# Altium PCB PCB1.PcbDoc (part 1 of 2)
Units mil, origin at the board's own origin, x right, y up, seen from the top; angles counter-clockwise.
Board outline 2250 x 3490 mil, 6 copper layers (Top Layer, Mid Layer 1, Mid Layer 2, Mid Layer 3, Mid Layer 4, Bottom Layer), stack 62.874 mil thick; 102 components, 68 nets, 356 pads, 128 vias.
Unrouted connection lines stored in the file: 78.
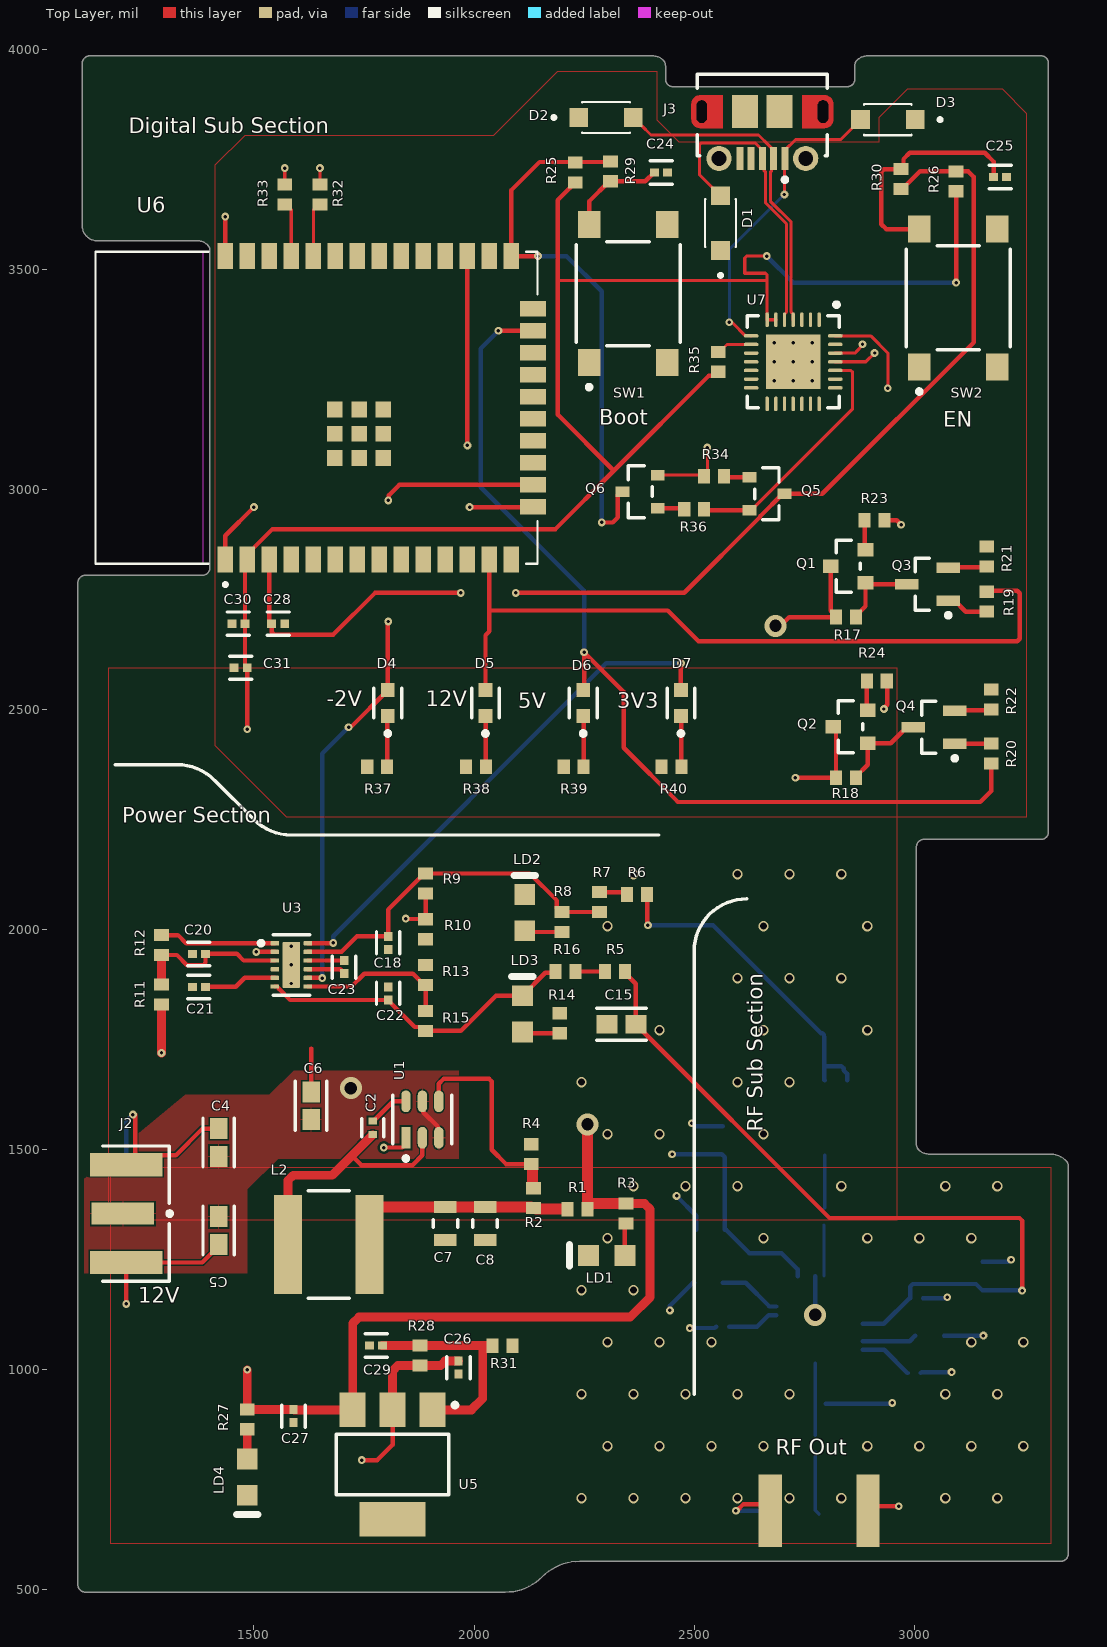
[diagram p0: Top Layer view]
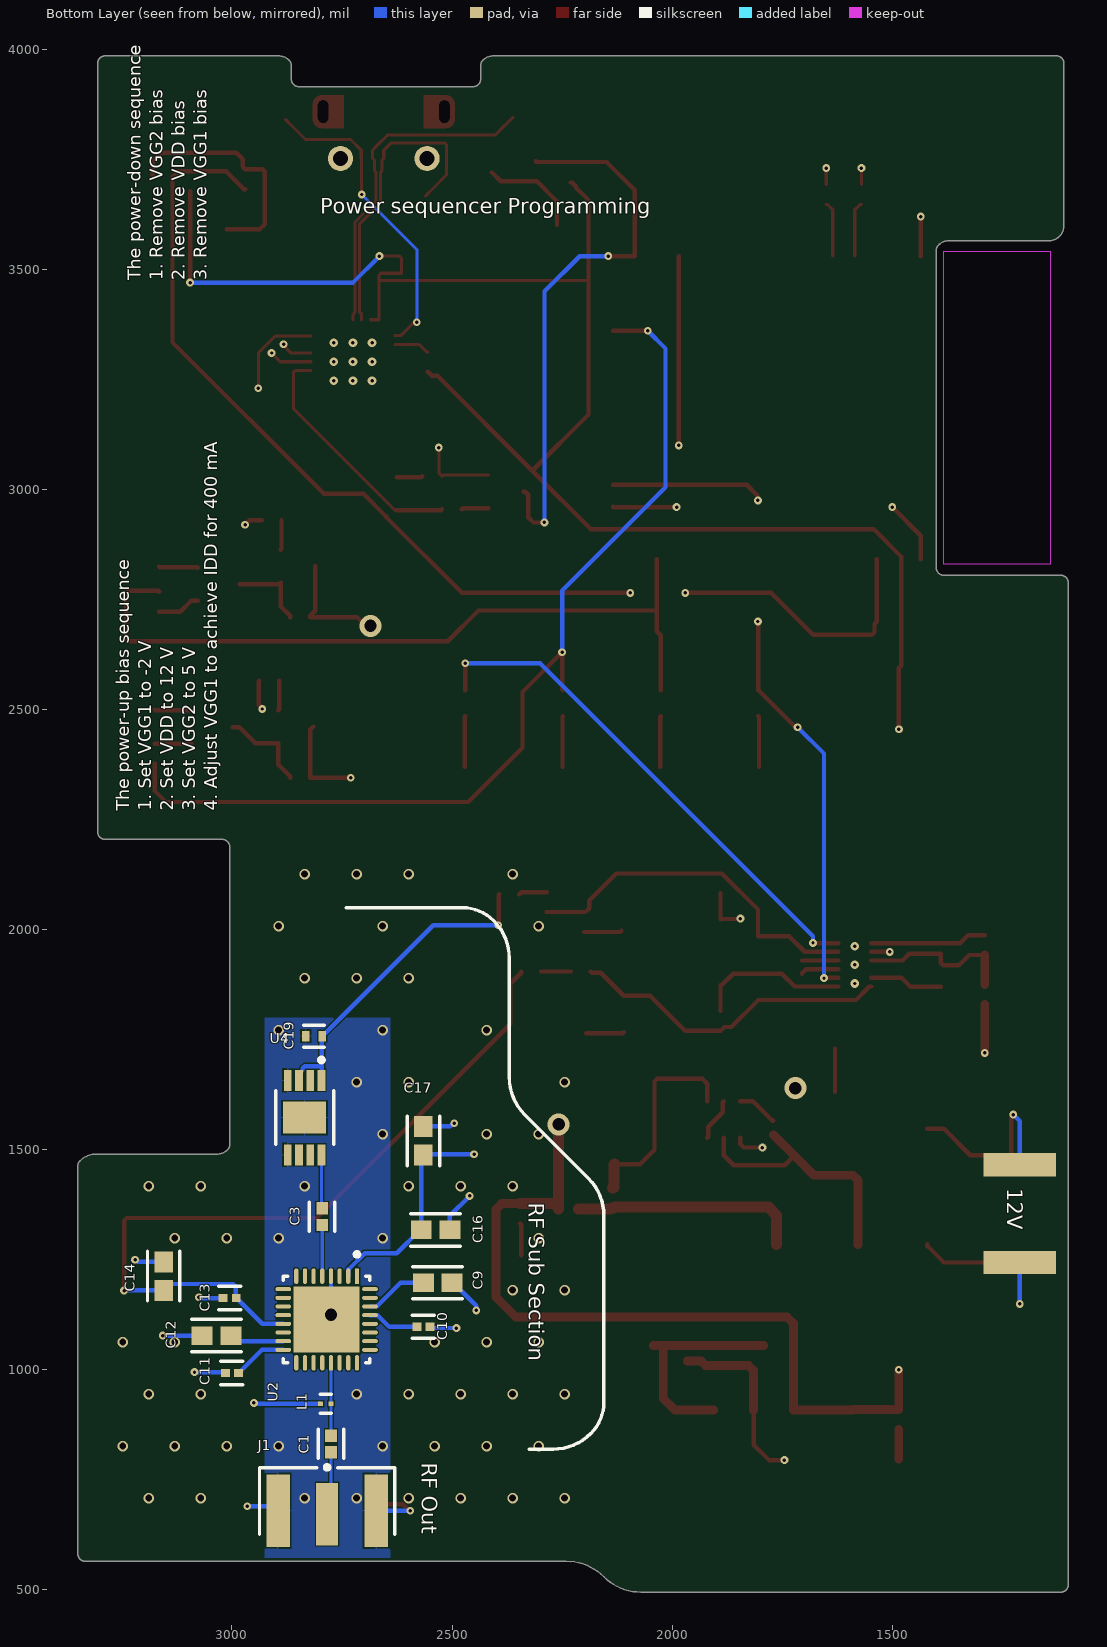
[diagram p1: Bottom Layer view, seen from below]
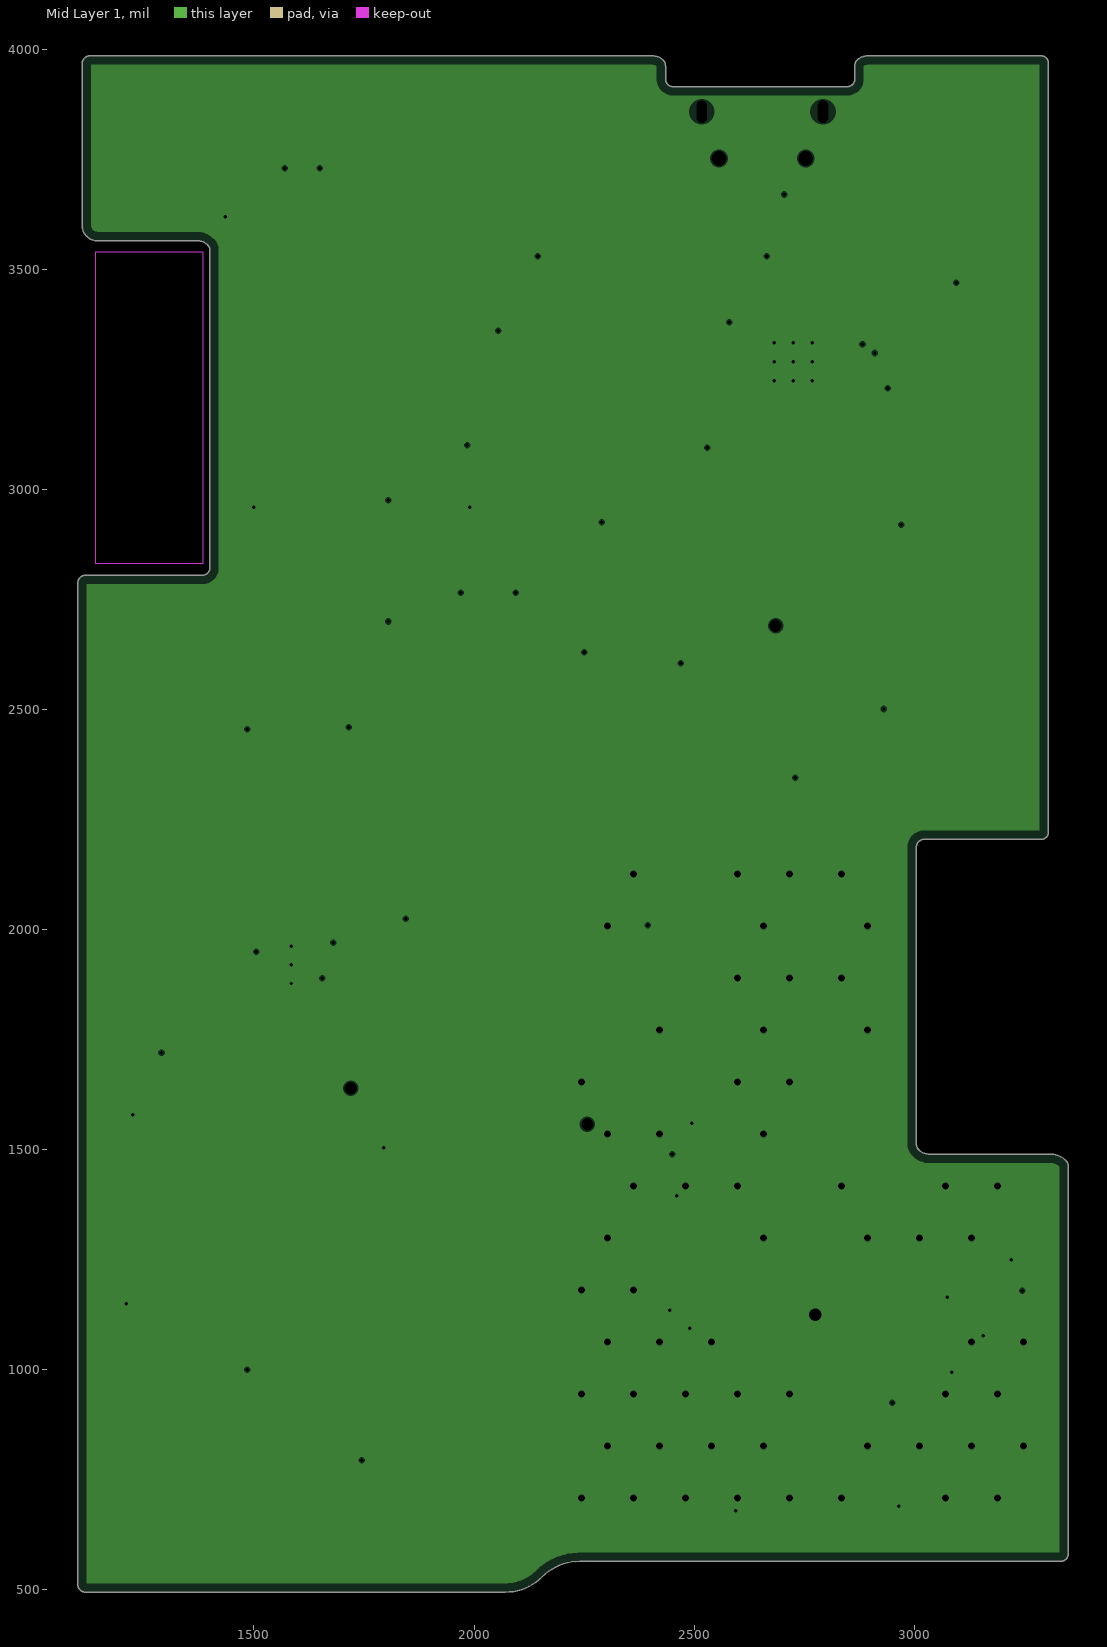
[diagram p2: Mid Layer 1, clearances drawn from the general rule]
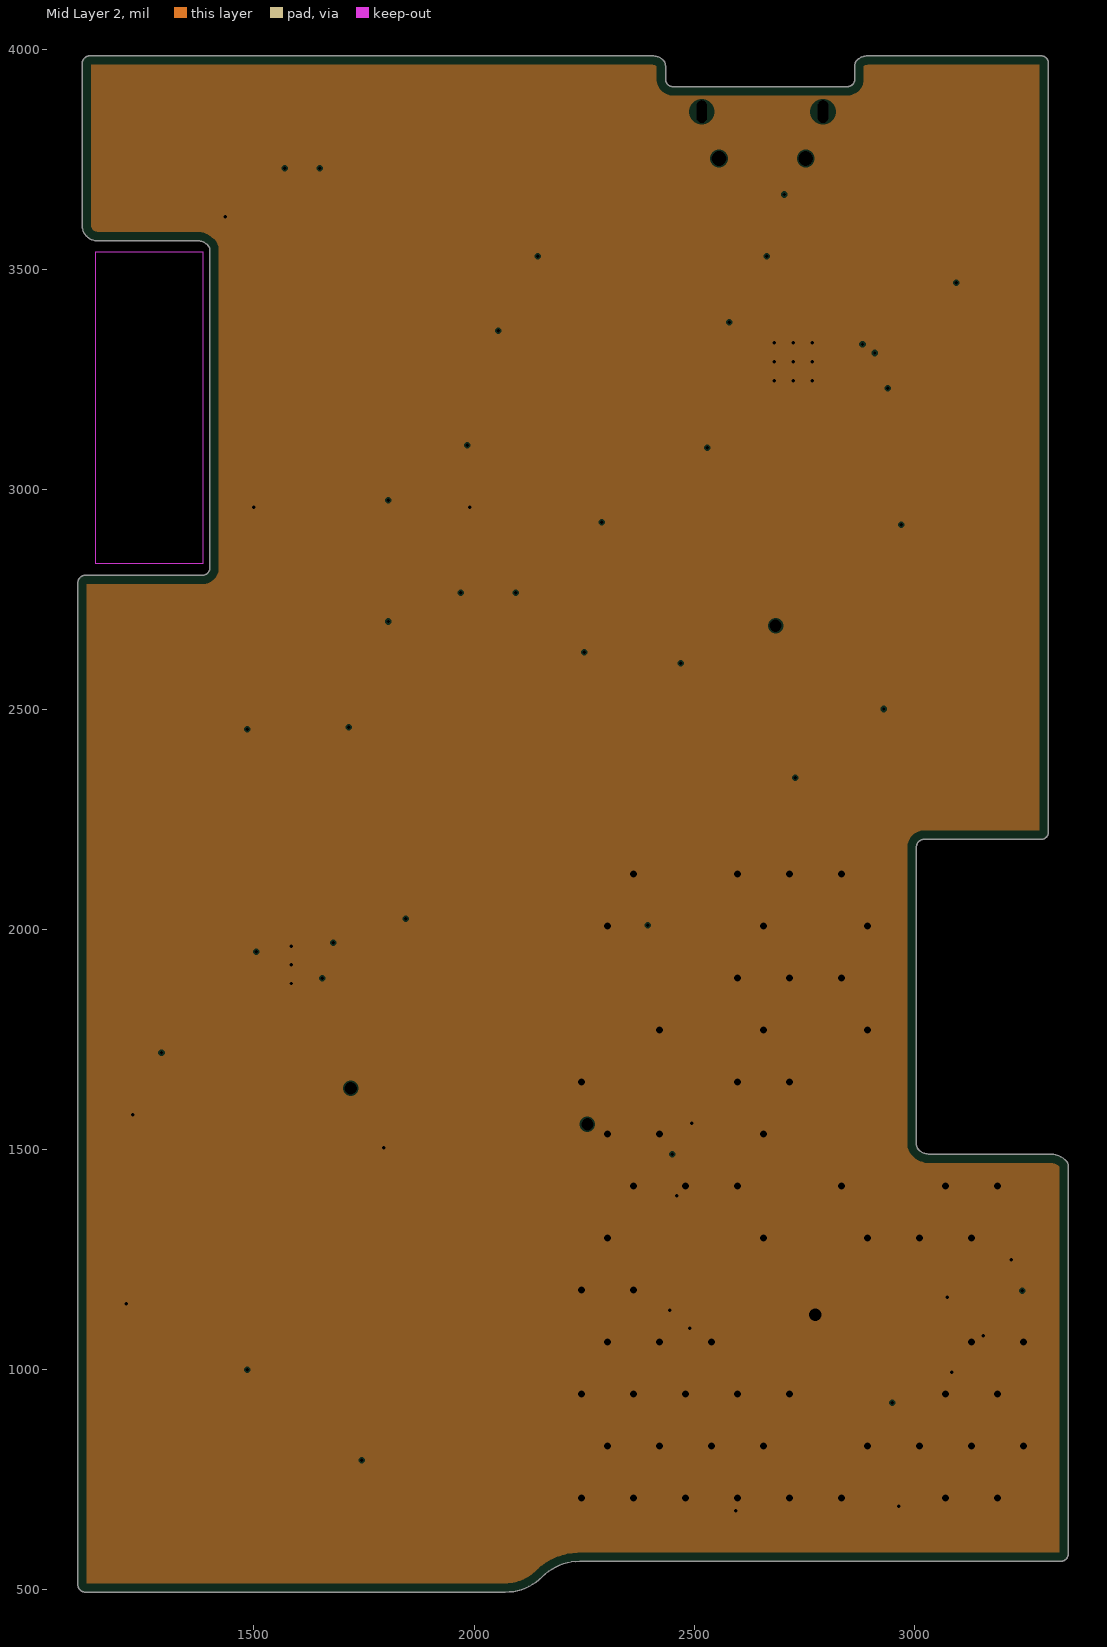
[diagram p3: Mid Layer 2, clearances drawn from the general rule]
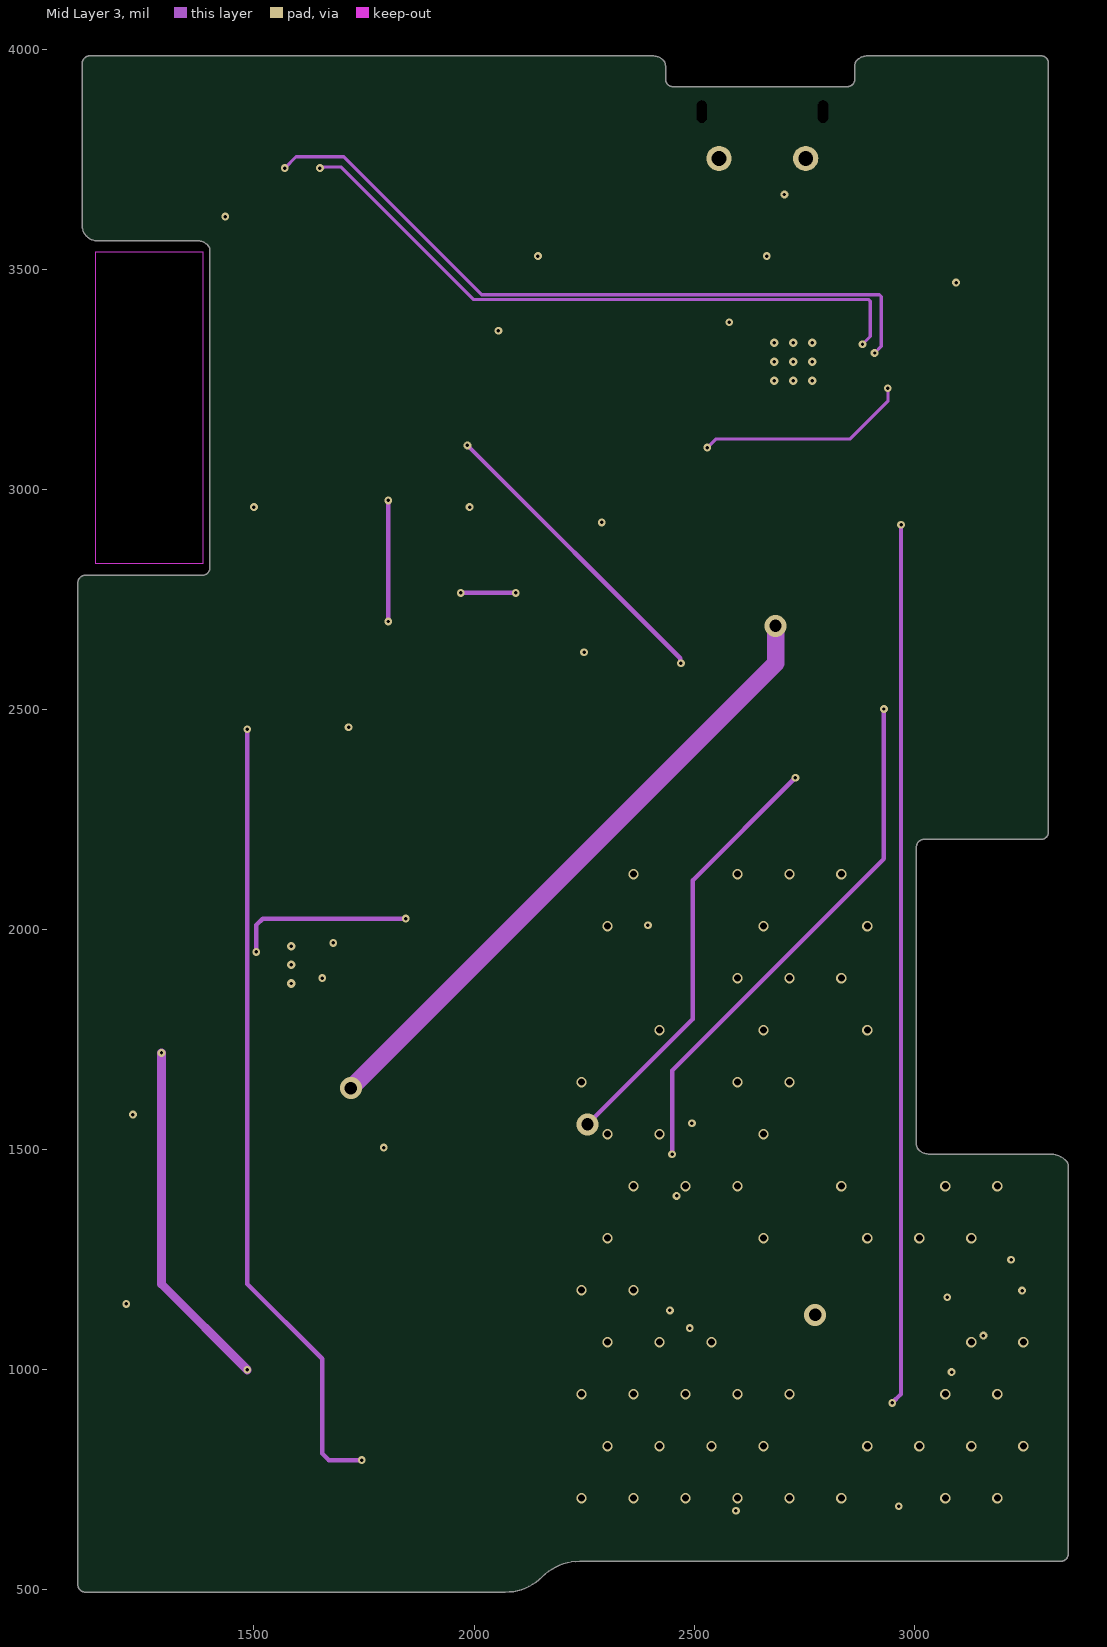
[diagram p4: Mid Layer 3]
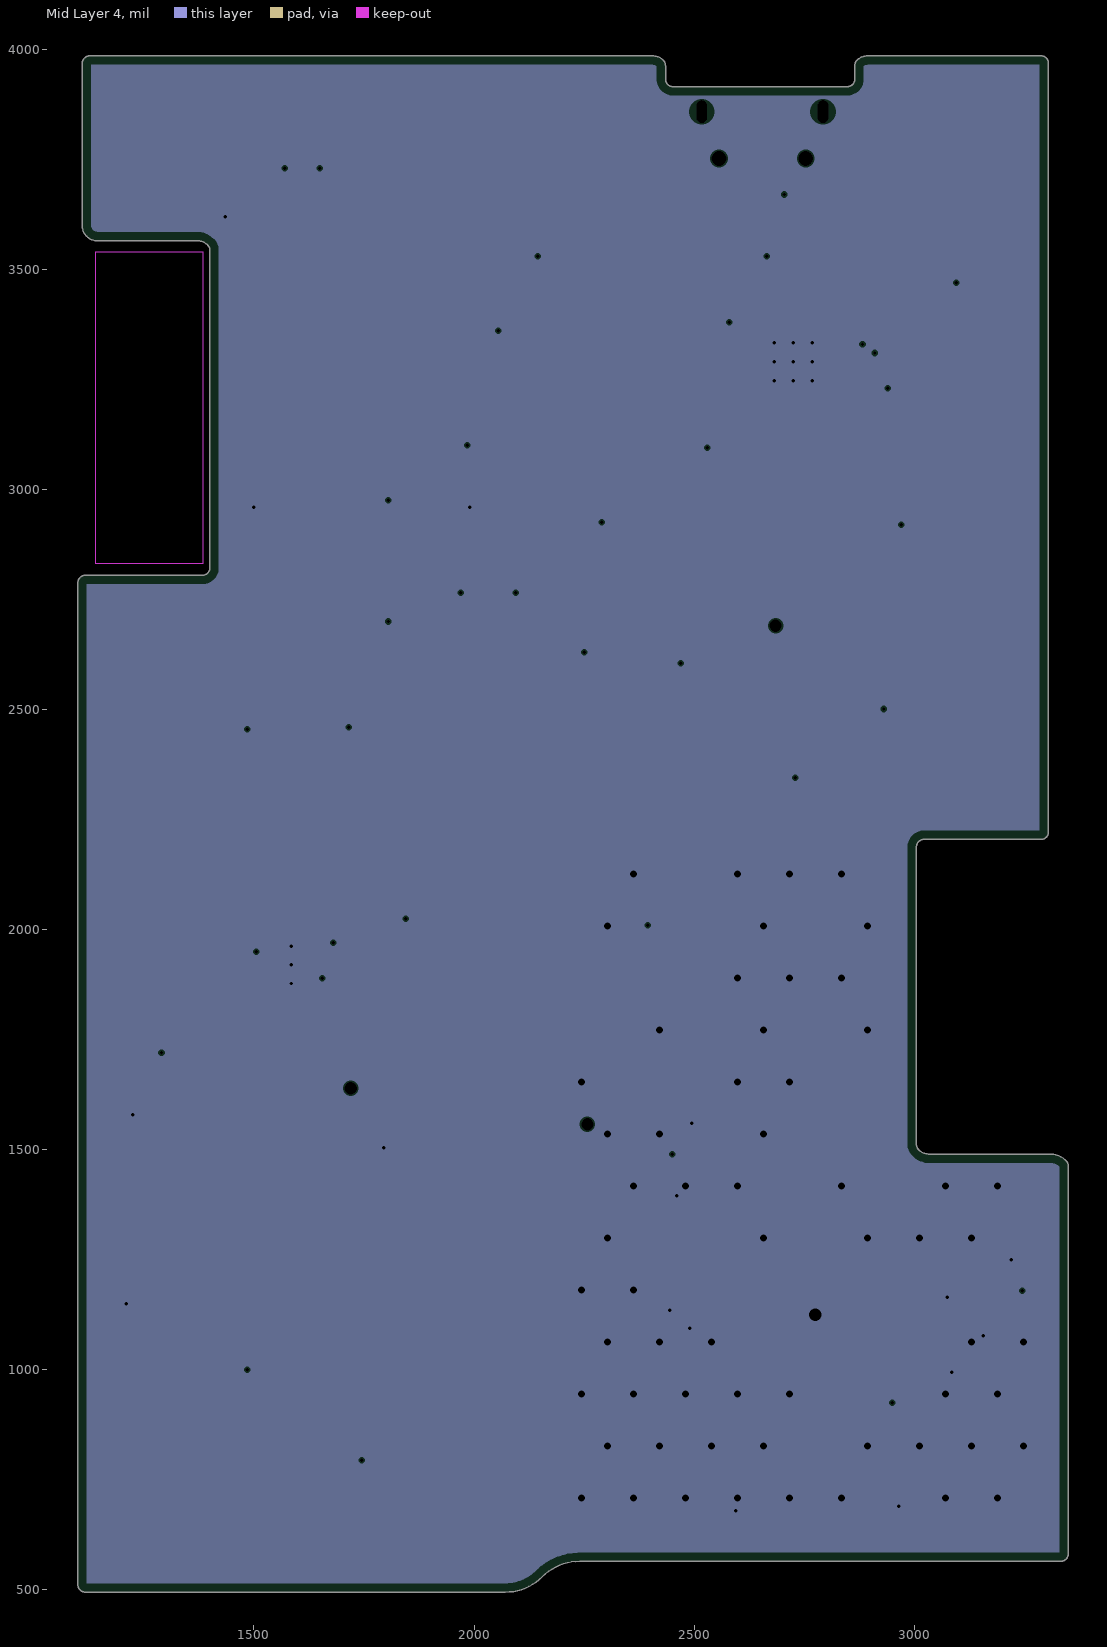
[diagram p5: Mid Layer 4, clearances drawn from the general rule]
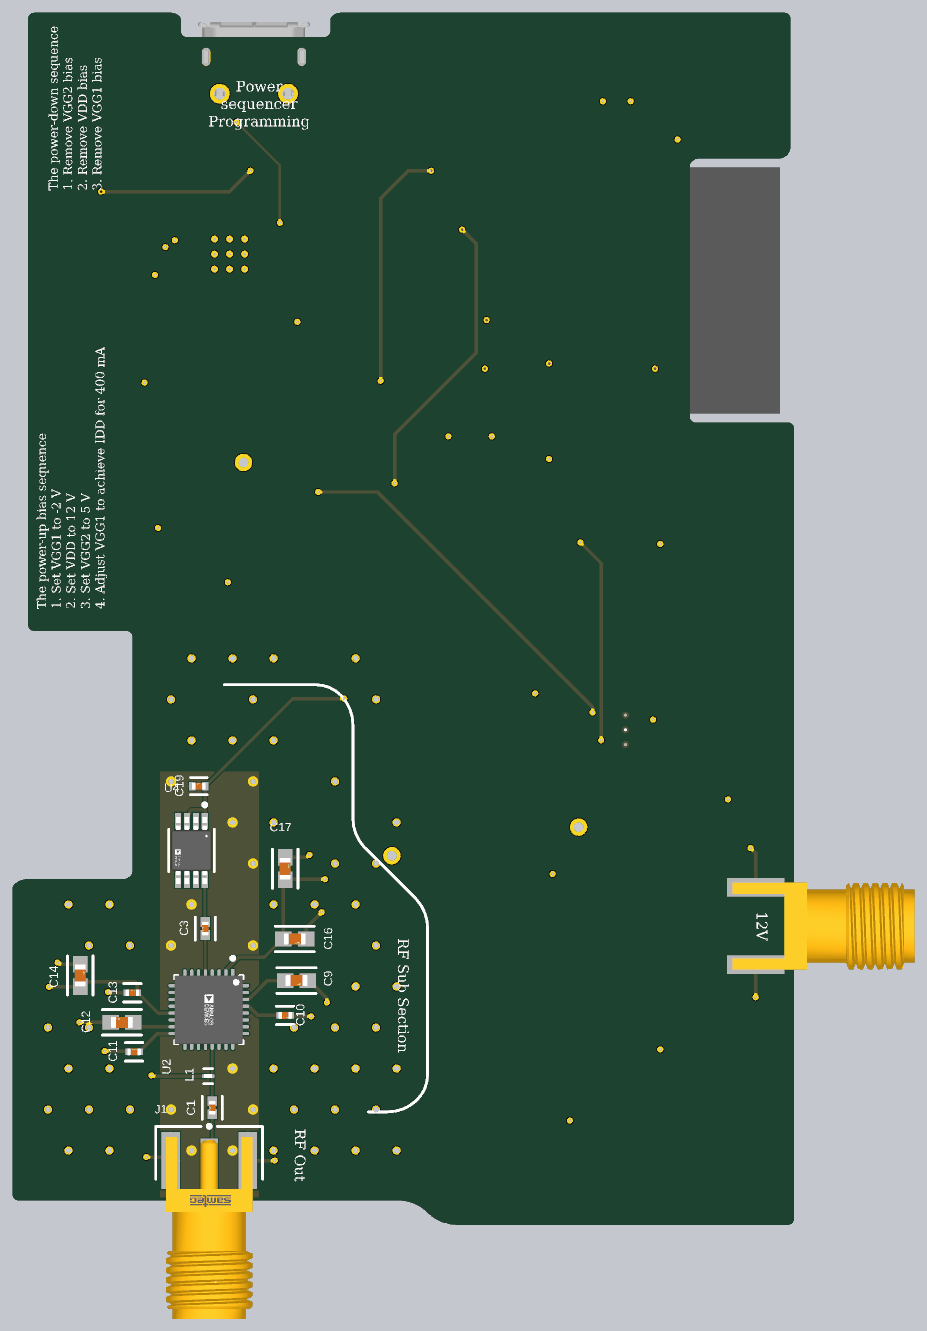
[diagram p7: 3D render of the assembled board from below, using the file's embedded part models]

## Layer stack, top to bottom
Top Solder: solder mask 0.5, Solder Resist, Dk 3.8
Top Layer: signal copper 1.378
Dielectric 1: prepreg 3.937, 2313, Dk 4.05
Mid Layer 1: plane copper 0.689, net GND
Core 1: core 22.244, FR-4, Dk 4.5
Mid Layer 2: plane copper 0.689, net GND
Dielectric 2: prepreg 5, 2116, Dk 4.25
Mid Layer 3: signal copper 0.689
Core 2: core 22.244, FR-4, Dk 4.5
Mid Layer 4: plane copper 0.689, net GND
Dielectric 3: prepreg 3.937, 2313, Dk 4.05
Bottom Layer: signal copper 1.378
Bottom Solder: solder mask 0.5, Solder Resist, Dk 3.8

## Board outline
1100,512.07 1100,2787.93 cw(c1117.07,2787.93) 1105,2800 cw(c1117.07,2787.93) 1117.07,2805 1382.93,2805 ccw(c1382.93,2822.07) 1395,2810 ccw(c1382.93,2822.07) 1400,2822.07 1400,3542.93 ccw(c1382.93,3542.93) 1395,3555 ccw(c1370.86,3530.86) 1370.86,3565 1144.14,3565 cw(c1144.14,3599.14) 1120,3575 cw(c1144.14,3599.14) 1110,3599.14 1110,3967.93 cw(c1127.07,3967.93) 1115,3980 cw(c1127.07,3967.93) 1127.07,3985 2405.86,3985 cw(c2405.86,3950.86) 2430,3975 cw(c2417.93,3962.93) 2435,3962.93 2435,3932.07 ccw(c2452.07,3932.07) 2440,3920 ccw(c2452.07,3932.07) 2452.07,3915 2847.93,3915 ccw(c2847.93,3932.07) 2860,3920 ccw(c2847.93,3932.07) 2865,3932.07 2865,3962.93 cw(c2882.07,3962.93) 2870,3975 cw(c2894.14,3950.86) 2894.14,3985 3287.93,3985 cw(c3287.93,3967.93) 3300,3980 cw(c3287.93,3967.93) 3305,3967.93 3305,2222.07 cw(c3287.93,2222.07) 3300,2210 cw(c3287.93,2222.07) 3287.93,2205 3022.07,2205 ccw(c3022.07,2187.93) 3010,2200 ccw(c3022.07,2187.93) 3005,2187.93 3005,1512.07 ccw(c3022.07,1512.07) 3010,1500 ccw(c3034.14,1524.14) 3034.14,1490 3308.79,1490 cw(c3308.79,1438.79) 3345,1475 cw(c3332.93,1462.93) 3350,1462.93 3350,582.07 cw(c3332.93,582.07) 3345,570 cw(c3332.93,582.07) 3332.93,565 2240,565 ccw(c2240,444.29) 2154.64,529.64 cw(c2071.01,613.28) 2071.01,495 1117.07,495 cw(c1117.07,512.07) 1105,500 cw(c1117.07,512.07)